# Altium PCB PCB_MAIN.PcbDoc (part 2 of 2)
Units mm, origin at the board's own origin, x right, y up, seen from the top; angles counter-clockwise.
Board outline 90.26 x 90.25 mm, 4 copper layers (Top Layer, Layer 1, Layer 2, Bottom Layer), stack 1.584 mm thick; 293 components, 201 nets, 831 pads, 761 vias.
Unrouted connection lines stored in the file: 503.
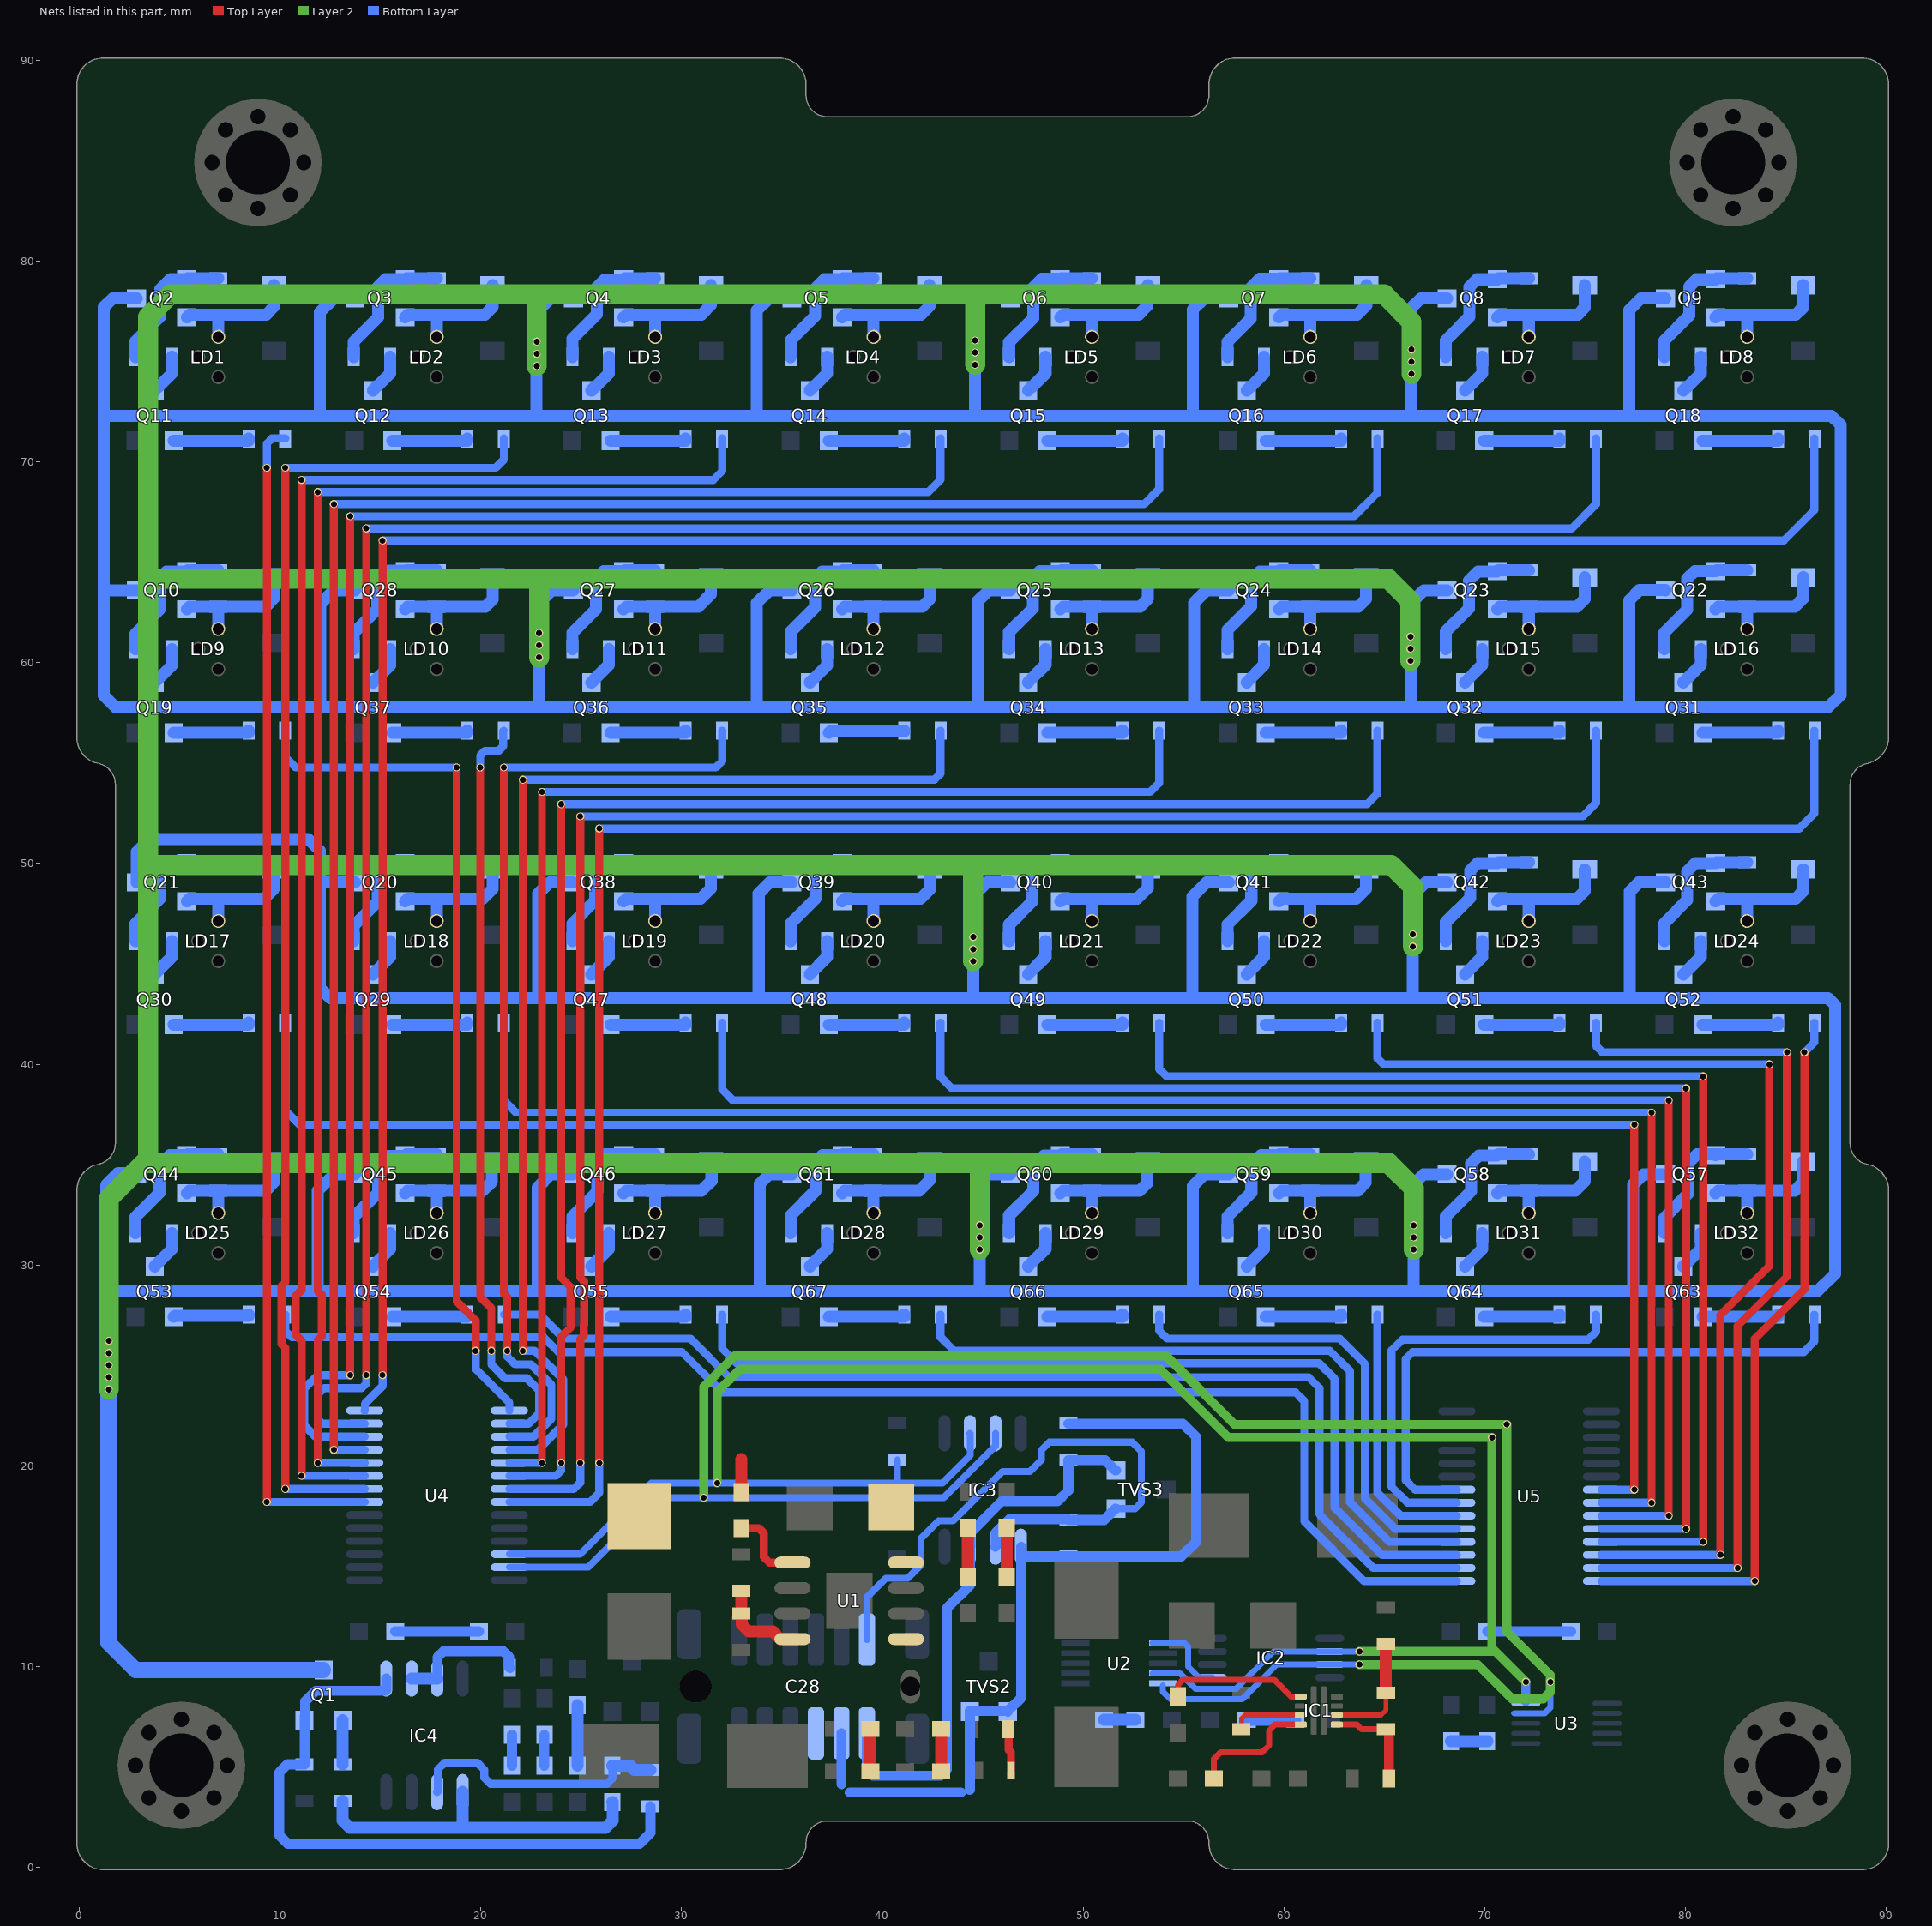
[diagram p4: the nets of this part, all layers, seen from the top]

## Via types
v1: diameter 0.4, hole 0.3, Top Layer to Bottom Layer, tented both sides, 743 vias
v2: diameter 0.4, hole 0.3, Top Layer to Bottom Layer, 18 vias

## Nets (pads, with @x,y where several pads share a name; then routed paths per layer and width w, separated by ;. In a path a pad name is that pad's centre, name@x,y a point inside that pad or via, vN(x,y) a via of type N, cw(c..) or ccw(c..) an arc to the next point about the centre after c; other vN are vias at no path point) (continued)
I_LD: Q1.3 Q2.2 Q3.2 Q4.2 Q5.2 Q6.2 Q7.2 Q8.2 Q9.2 Q10.2 Q20.2 Q21.2 Q22.2 Q23.2 Q24.2 Q25.2 Q26.2 Q27.2 Q28.2 Q38.2 Q39.2 Q40.2 Q41.2 Q42.2 Q43.2 Q44.2 Q45.2 Q46.2 Q57.2 Q58.2 Q59.2 Q60.2 Q61.2 | length 975.1
  Layer 2 w1: v1(1.47,23.8) v1(1.47,24.405) v1(1.47,25.01) v1(1.47,25.615) v1(1.47,26.22) 1.47,33.33 3.42,35.28 3.42,77.23 4.54,78.35 22.71,78.35 ; 3.56,35.07 45.02,35.07 ; 3.58,64.19 22.84,64.19 ; 3.702,49.93 44.49,49.93 ; v1(22.78,74.785) v1(22.78,75.39) v1(22.78,75.995) 22.78,78.28 22.71,78.35 ; v1(22.9,60.267) v1(22.9,60.872) v1(22.9,61.477) 22.9,64.13 22.84,64.19 ; v1(44.52,45.13) v1(44.52,45.735) v1(44.52,46.34) 44.52,49.9 44.49,49.93 ; v1(44.62,74.845) v1(44.62,75.45) v1(44.62,76.055) 44.62,78.27 44.7,78.35 ; v1(44.85,30.77) v1(44.85,31.375) v1(44.85,31.98) 44.85,34.9 45.02,35.07 ; v1(66.31,60.095) v1(66.31,60.7) v1(66.31,61.305) 66.31,63.08 65.2,64.19 22.84,64.19 ; v1(66.36,74.39) v1(66.36,74.995) v1(66.36,75.6) 66.36,76.99 65,78.35 44.7,78.35 ; v1(66.43,45.86) v1(66.43,46.465) 66.43,48.84 65.34,49.93 44.49,49.93 ; v1(66.47,30.77) v1(66.47,31.375) v1(66.47,31.98) 66.47,33.83 65.23,35.07 45.02,35.07 ; 22.71,78.35 44.7,78.35
  Bottom Layer w0.6: 1.32,63.608 Q10.2@2.85,63.608 ; 1.34,72.3 11.98,72.3 ; 1.51,28.7 11.87,28.7 ; Q21.2@2.85,49.062 2.85,50.58 3.48,51.21 11.4,51.21 11.98,50.63 11.98,43.81 12.49,43.3 22.86,43.3 ; Q2.2@2.85,78.155 1.655,78.155 1.21,77.71 1.21,58.37 1.81,57.77 11.99,57.77 ; 12.06,49.062 Q20.2@13.73,49.062 ; Q45.2@13.73,34.515 12.685,34.515 11.87,33.7 11.87,28.7 ; Q28.2@13.73,63.608 12.668,63.608 11.99,62.93 11.99,57.77 ; Q3.2@13.73,78.155 12.675,78.155 11.98,77.46 11.98,72.3 ; Q46.2@24.61,34.515 23.475,34.515 22.82,33.86 22.82,28.7 ; Q38.2@24.61,49.062 23.422,49.062 22.86,48.5 22.86,43.3 ; Q27.2@24.61,63.608 23.528,63.608 22.89,62.97 22.89,57.82 22.84,57.77 ; Q4.2@24.61,78.155 23.475,78.155 22.77,77.45 22.77,72.3 ; Q61.2@35.49,34.515 34.365,34.515 33.89,34.04 33.89,28.73 33.92,28.7 ; Q39.2@35.49,49.062 34.392,49.062 33.84,48.51 33.84,43.34 33.8,43.3 ; Q26.2@35.49,63.608 34.378,63.608 33.75,62.98 33.75,57.77 ; Q5.2@35.49,78.155 34.355,78.155 33.75,77.55 33.75,72.3 ; Q60.2@46.37,34.515 45.205,34.515 44.85,34.16 v1(44.85,31.98) v1(44.85,31.375) v1(44.85,30.77) 44.85,28.7 ; Q40.2@46.37,49.062 45.202,49.062 44.52,48.38 v1(44.52,46.34) v1(44.52,45.735) v1(44.52,45.13) 44.52,43.3 ; Q25.2@46.37,63.608 45.298,63.608 44.75,63.06 44.75,57.77 ; Q6.2@46.37,78.155 45.045,78.155 44.62,77.73 v1(44.62,76.055) v1(44.62,75.45) v1(44.62,74.845) 44.62,72.3 ; Q59.2@57.25,34.515 56.035,34.515 55.46,33.94 55.46,28.7 ; Q41.2@57.25,49.062 56.152,49.062 55.45,48.36 55.45,43.3 ; Q24.2@57.25,63.608 56.138,63.608 55.52,62.99 55.52,57.77 ; Q7.2@57.25,78.155 56.035,78.155 55.47,77.59 55.47,72.3 ; Q58.2@68.13,34.515 66.955,34.515 66.46,34.02 66.46,28.7 ; Q42.2@68.13,49.062 67.072,49.062 66.42,48.41 66.42,43.3 ; Q23.2@68.13,63.608 66.968,63.608 66.31,62.95 v1(66.31,61.305) v1(66.31,60.7) v1(66.31,60.095) 66.31,57.77 ; Q8.2@68.13,78.155 66.825,78.155 66.36,77.69 v1(66.36,75.6) v1(66.36,74.995) v1(66.36,74.39) 66.36,72.3 ; 77.2,57.82 77.2,63.11 77.71,63.62 78.998,63.62 Q22.2@79.01,63.608 ; 77.21,72.38 77.21,77.58 77.785,78.155 Q9.2@79.01,78.155 ; 77.23,43.36 77.23,48.6 77.7,49.07 79.001,49.07 Q43.2@79.01,49.062 ; 77.41,28.73 77.41,34.01 77.915,34.515 Q57.2@79.01,34.515 ; 11.87,28.7 22.82,28.7 ; 11.98,72.3 22.77,72.3 ; 11.99,57.77 22.84,57.77 ; 22.77,72.3 33.75,72.3 ; 22.82,28.7 33.92,28.7 ; 22.84,57.77 33.75,57.77 ; 22.86,43.3 33.8,43.3 ; 33.75,57.77 44.75,57.77 ; 33.75,72.3 44.62,72.3 ; 33.8,43.3 44.52,43.3 ; 33.92,28.7 44.85,28.7 ; 44.52,43.3 55.45,43.3 ; 44.62,72.3 55.47,72.3 ; 44.75,57.77 55.52,57.77 ; 44.85,28.7 55.46,28.7 ; 55.45,43.3 66.42,43.3 ; 55.46,28.7 66.46,28.7 ; 55.47,72.3 66.36,72.3 ; 55.52,57.77 66.31,57.77 ; 66.31,57.77 87.1,57.77 87.73,58.4 87.73,71.84 87.27,72.3 66.36,72.3 ; 66.42,43.3 87.102,43.3 87.453,42.949 87.453,29.563 86.59,28.7 66.46,28.7
  Bottom Layer w0.8: Q44.2@2.85,34.515 2.8,34.465 1.955,34.465 1.45,33.96 1.45,11.18 2.81,9.82 Q1.3@12.14,9.82
LATCH: IC2.1 U2.6 | length 4.3
  Bottom Layer w0.3: U2.6@53.45,11.161 55.054,11.161 55.23,10.985 55.23,9.99 55.765,9.455 56.425,9.455 IC2.1@56.435,9.445
NetC3_2: C3.2 IC1.10 | length 6.4
  Top Layer w0.3: C3.2@56.52,4.419 56.52,5.39 56.86,5.73 58.92,5.73 59.26,6.07 59.26,6.81 59.55,7.1 IC1.10@60.84,7.1
NetC4_2: C4.2 IC1.7 | length 7.1
  Top Layer w0.3: C4.2@54.72,8.509 54.74,8.529 54.74,9.1 54.98,9.34 59.52,9.34 60.36,8.5 IC1.7@60.84,8.5
NetC5_1: C5.1 D2.2 L1.1 U1.8 | length 1.6
  Top Layer w0.6: C5.1@32.98,18.688 32.98,20.32
NetC5_2: C5.2 U1.1 | length 4
  Top Layer w0.4: C5.2@32.98,16.888 32.984,16.892 33.856,16.892 34.09,16.657 34.09,15.46 34.377,15.173 U1.1@35.525,15.173
NetC6_2: C6.2 C12.1 | length 2.4
  Top Layer w0.6: C12.1@44.25,14.478 C6.2@44.25,16.908
NetC7_2: C7.2 C13.1 | length 2.4
  Top Layer w0.6: C13.1@46.2,14.478 C7.2@46.2,16.908
NetC8_2: C8.2 C14.1 | length 2.1
  Top Layer w0.6: C8.2@42.926,4.77 C14.1@42.926,6.88
NetC9_2: C9.2 C15.1 | length 2.1
  Top Layer w0.6: C9.2@39.4,4.77 C15.1@39.4,6.88
NetC17_1: C17.1 C19.2 | length 1.6
  Bottom Layer w0.6: C17.1@51.04,7.34 C19.2@52.61,7.34
NetC20_1: C20.1 C21.2 | length 2.4
  Bottom Layer w0.6: C21.2@58.147,7.34 C20.1@60.573,7.34
NetC22_1: C22.1 C23.2 | length 1.8
  Bottom Layer w0.6: C23.2@68.33,6.272 C22.1@70.13,6.272
NetC24_1: C24.1 C26.2 | length 4.2
  Bottom Layer w0.5: C26.2@15.73,11.74 C24.1@19.906,11.74
NetC25_1: C25.1 C27.2 | length 4.2
  Bottom Layer w0.5: C27.2@70.13,11.74 C25.1@74.306,11.74
NetC33_1: C33.1 C35.2 | length 1.5
  Bottom Layer w0.5: C35.2@21.55,5.051 C33.1@21.55,6.6
NetC34_1: C34.1 C36.2 | length 3
  Bottom Layer w0.6: C36.2@24.82,5.051 C34.1@24.82,8.067
NetC37_1: C37.1 IC4.2 R15.1 | length 13.4
  Bottom Layer w0.4: IC4.2@17.825,3.745 17.863,3.783 17.863,4.873 18.2,5.21 19.82,5.21 20.17,4.86 20.17,4.46 20.48,4.15 26.28,4.15 26.56,4.43 26.56,5.041 C37.1@26.551,5.05
  Bottom Layer w0.6: C37.1@26.55,5.051 26.551,5.05 27.44,5.05 27.641,4.849 R15.1@28.45,4.849
NetC37_2: C37.2 IC4.1 R14.1 | length 17.4
  Bottom Layer w0.6: R14.1@13.116,3.301 13.116,2.321 13.467,1.97 19.73,1.97 26.209,1.97 26.56,2.321 26.56,3.241 C37.2@26.55,3.251 ; 19.095,2.02 IC4.1@19.095,3.745
NetC38_1: C38.1 C39.2 | length 1.5
  Bottom Layer w0.5: C39.2@23.166,5.051 C38.1@23.166,6.6
NetDIO1_1: DIO1.1 LD1.3 Q2.3 R18.1 | length 6.7
  Bottom Layer w0.6: Q2.3@5.35,77.205 5.488,77.343 R18.1@6.92,77.343 ; LD1.3@6.92,76.232 R18.1@6.92,77.343 ; DIO1.1@9.7,78.801 9.7,77.74 9.303,77.343 R18.1@6.92,77.343
NetDIO2_1: DIO2.1 LD2.3 Q3.3 R19.1 | length 6.8
  Bottom Layer w0.6: Q3.3@16.23,77.205 16.368,77.343 R19.1@17.8,77.343 ; LD2.3@17.8,76.232 R19.1@17.8,77.343 ; DIO2.1@20.581,78.801 20.581,77.731 20.193,77.343 R19.1@17.8,77.343
NetDIO3_1: DIO3.1 LD3.3 Q4.3 R20.1 | length 6.7
  Bottom Layer w0.6: Q4.3@27.11,77.205 27.248,77.343 R20.1@28.68,77.343 ; LD3.3@28.68,76.232 R20.1@28.68,77.343 ; DIO3.1@31.463,78.801 31.46,78.798 31.46,77.82 30.983,77.343 R20.1@28.68,77.343
NetDIO4_1: DIO4.1 LD4.3 Q5.3 R21.1 | length 6.7
  Bottom Layer w0.6: Q5.3@37.99,77.205 38.128,77.343 R21.1@39.56,77.343 ; LD4.3@39.56,76.232 R21.1@39.56,77.343 ; DIO4.1@42.344,78.801 42.344,77.756 41.931,77.343 R21.1@39.56,77.343
NetDIO5_1: DIO5.1 LD5.3 Q6.3 R22.1 | length 6.7
  Bottom Layer w0.6: Q6.3@48.87,77.205 49.008,77.343 R22.1@50.44,77.343 ; LD5.3@50.44,76.232 R22.1@50.44,77.343 ; DIO5.1@53.226,78.801 53.2,78.775 53.2,77.78 52.763,77.343 R22.1@50.44,77.343
NetDIO6_1: DIO6.1 LD6.3 Q7.3 R23.1 | length 6.7
  Bottom Layer w0.6: Q7.3@59.75,77.205 59.888,77.343 R23.1@61.32,77.343 ; LD6.3@61.32,76.232 R23.1@61.32,77.343 ; DIO6.1@64.107,78.801 64.11,78.798 64.11,77.8 63.653,77.343 R23.1@61.32,77.343
NetDIO7_1: DIO7.1 LD7.3 Q8.3 R24.1 | length 6.8
  Bottom Layer w0.6: Q8.3@70.63,77.205 70.768,77.343 R24.1@72.2,77.343 ; LD7.3@72.2,76.232 R24.1@72.2,77.343 ; DIO7.1@74.989,78.801 74.989,77.694 74.637,77.343 R24.1@72.2,77.343
NetDIO8_1: DIO8.1 LD8.3 Q9.3 R25.1 | length 6.8
  Bottom Layer w0.6: Q9.3@81.51,77.205 81.648,77.343 R25.1@83.08,77.343 ; LD8.3@83.08,76.232 R25.1@83.08,77.343 ; DIO8.1@85.87,78.801 85.87,77.71 85.503,77.343 R25.1@83.08,77.343
NetDIO9_1: DIO9.1 LD9.3 Q10.3 R26.1 | length 6.7
  Bottom Layer w0.6: Q10.3@5.35,62.658 5.488,62.796 R26.1@6.92,62.796 ; LD9.3@6.92,61.685 R26.1@6.92,62.796 ; DIO9.1@9.7,64.254 9.7,63.22 9.276,62.796 R26.1@6.92,62.796
NetDIO10_1: DIO10.1 LD18.3 Q20.3 R45.1 | length 6.7
  Bottom Layer w0.6: Q20.3@16.23,48.112 16.368,48.25 R45.1@17.8,48.25 ; LD18.3@17.8,47.139 R45.1@17.8,48.25 ; DIO10.1@20.581,49.708 20.58,49.706 20.58,48.74 20.09,48.25 R45.1@17.8,48.25
NetDIO11_1: DIO11.1 LD17.3 Q21.3 R46.1 | length 6.7
  Bottom Layer w0.6: Q21.3@5.35,48.112 5.488,48.25 R46.1@6.92,48.25 ; LD17.3@6.92,47.139 R46.1@6.92,48.25 ; DIO11.1@9.7,49.708 9.68,49.688 9.68,48.72 9.21,48.25 R46.1@6.92,48.25
NetDIO12_1: DIO12.1 LD16.3 Q22.3 R47.1 | length 6.7
  Bottom Layer w0.6: Q22.3@81.51,62.658 81.648,62.796 R47.1@83.08,62.796 ; LD16.3@83.08,61.685 R47.1@83.08,62.796 ; DIO12.1@85.87,64.254 85.87,63.21 85.456,62.796 R47.1@83.08,62.796
NetDIO13_1: DIO13.1 LD15.3 Q23.3 R48.1 | length 6.8
  Bottom Layer w0.6: Q23.3@70.63,62.658 70.768,62.796 R48.1@72.2,62.796 ; LD15.3@72.2,61.685 R48.1@72.2,62.796 ; DIO13.1@74.989,64.254 74.989,63.179 74.606,62.796 R48.1@72.2,62.796
NetDIO14_1: DIO14.1 LD14.3 Q24.3 R49.1 | length 6.8
  Bottom Layer w0.6: Q24.3@59.75,62.658 59.888,62.796 R49.1@61.32,62.796 ; LD14.3@61.32,61.685 R49.1@61.32,62.796 ; DIO14.1@64.107,64.254 64.1,64.247 64.1,63.18 63.716,62.796 R49.1@61.32,62.796
NetDIO15_1: DIO15.1 LD13.3 Q25.3 R50.1 | length 6.8
  Bottom Layer w0.6: Q25.3@48.87,62.658 49.008,62.796 R50.1@50.44,62.796 ; LD13.3@50.44,61.685 R50.1@50.44,62.796 ; DIO15.1@53.226,64.254 53.226,63.186 52.836,62.796 R50.1@50.44,62.796
NetDIO16_1: DIO16.1 LD12.3 Q26.3 R51.1 | length 6.8
  Bottom Layer w0.6: Q26.3@37.99,62.658 38.128,62.796 R51.1@39.56,62.796 ; LD12.3@39.56,61.685 R51.1@39.56,62.796 ; DIO16.1@42.344,64.254 42.344,63.148 41.993,62.796 R51.1@39.56,62.796
NetDIO17_1: DIO17.1 LD11.3 Q27.3 R52.1 | length 6.6
  Bottom Layer w0.6: Q27.3@27.11,62.658 27.248,62.796 R52.1@28.68,62.796 ; LD11.3@28.68,61.685 R52.1@28.68,62.796 ; DIO17.1@31.463,64.254 31.463,63.421 30.838,62.796 R52.1@28.68,62.796
NetDIO18_1: DIO18.1 LD10.3 Q28.3 R53.1 | length 6.8
  Bottom Layer w0.6: Q28.3@16.23,62.658 16.368,62.796 R53.1@17.8,62.796 ; LD10.3@17.8,61.685 R53.1@17.8,62.796 ; DIO18.1@20.581,64.254 20.581,63.148 20.23,62.796 R53.1@17.8,62.796
NetDIO19_1: DIO19.1 LD19.3 Q38.3 R72.1 | length 6.7
  Bottom Layer w0.6: Q38.3@27.11,48.112 27.248,48.25 R72.1@28.68,48.25 ; LD19.3@28.68,47.139 R72.1@28.68,48.25 ; DIO19.1@31.463,49.708 31.46,49.705 31.46,48.76 30.95,48.25 R72.1@28.68,48.25
NetDIO20_1: DIO20.1 LD20.3 Q39.3 R73.1 | length 6.8
  Bottom Layer w0.6: Q39.3@37.99,48.112 38.128,48.25 R73.1@39.56,48.25 ; LD20.3@39.56,47.139 R73.1@39.56,48.25 ; DIO20.1@42.344,49.708 42.38,49.672 42.38,48.72 41.91,48.25 R73.1@39.56,48.25
NetDIO21_1: DIO21.1 LD21.3 Q40.3 R74.1 | length 6.7
  Bottom Layer w0.6: Q40.3@48.87,48.112 49.008,48.25 R74.1@50.44,48.25 ; LD21.3@50.44,47.139 R74.1@50.44,48.25 ; DIO21.1@53.226,49.708 53.22,49.702 53.22,48.78 52.69,48.25 R74.1@50.44,48.25
NetDIO22_1: DIO22.1 LD22.3 Q41.3 R75.1 | length 6.7
  Bottom Layer w0.6: Q41.3@59.75,48.112 59.888,48.25 R75.1@61.32,48.25 ; LD22.3@61.32,47.139 R75.1@61.32,48.25 ; DIO22.1@64.107,49.708 64.09,49.69 64.09,48.73 63.61,48.25 R75.1@61.32,48.25
NetDIO23_1: DIO23.1 LD23.3 Q42.3 R76.1 | length 6.8
  Bottom Layer w0.6: Q42.3@70.63,48.112 70.768,48.25 R76.1@72.2,48.25 ; LD23.3@72.2,47.139 R76.1@72.2,48.25 ; DIO23.1@74.989,49.708 74.989,48.629 74.61,48.25 R76.1@72.2,48.25
NetDIO24_1: DIO24.1 LD24.3 Q43.3 R77.1 | length 6.8
  Bottom Layer w0.6: Q43.3@81.51,48.112 81.648,48.25 R77.1@83.08,48.25 ; LD24.3@83.08,47.139 R77.1@83.08,48.25 ; DIO24.1@85.87,49.708 85.87,48.63 85.49,48.25 R77.1@83.08,48.25
NetDIO25_1: DIO25.1 LD25.3 Q44.3 R78.1 | length 6.7
  Bottom Layer w0.6: Q44.3@5.35,33.565 5.488,33.703 R78.1@6.92,33.703 ; LD25.3@6.92,32.592 R78.1@6.92,33.703 ; DIO25.1@9.7,35.161 9.7,34.12 9.283,33.703 R78.1@6.92,33.703
NetDIO26_1: DIO26.1 LD26.3 Q45.3 R79.1 | length 6.7
  Bottom Layer w0.6: Q45.3@16.23,33.565 16.368,33.703 R79.1@17.8,33.703 ; LD26.3@17.8,32.592 R79.1@17.8,33.703 ; DIO26.1@20.581,35.161 20.54,35.119 20.54,34.14 20.103,33.703 R79.1@17.8,33.703
NetDIO27_1: DIO27.1 LD27.3 Q46.3 R80.1 | length 6.7
  Bottom Layer w0.6: Q46.3@27.11,33.565 27.248,33.703 R80.1@28.68,33.703 ; LD27.3@28.68,32.592 R80.1@28.68,33.703 ; DIO27.1@31.463,35.161 31.49,35.134 31.49,34.2 30.993,33.703 R80.1@28.68,33.703
NetDIO28_1: DIO28.1 LD32.3 Q57.3 R100.1 | length 6.7
  Bottom Layer w0.6: Q57.3@81.51,33.565 81.648,33.703 R100.1@83.08,33.703 ; LD32.3@83.08,32.592 R100.1@83.08,33.703 ; DIO28.1@85.87,35.161 85.87,34.12 85.453,33.703 R100.1@83.08,33.703
NetDIO29_1: DIO29.1 LD31.3 Q58.3 R101.1 | length 6.7
  Bottom Layer w0.6: Q58.3@70.63,33.565 70.768,33.703 R101.1@72.2,33.703 ; LD31.3@72.2,32.592 R101.1@72.2,33.703 ; DIO29.1@74.989,35.161 74.98,35.152 74.98,34.17 74.513,33.703 R101.1@72.2,33.703
NetDIO30_1: DIO30.1 LD30.3 Q59.3 R102.1 | length 6.7
  Bottom Layer w0.6: Q59.3@59.75,33.565 59.888,33.703 R102.1@61.32,33.703 ; LD30.3@61.32,32.592 R102.1@61.32,33.703 ; DIO30.1@64.107,35.161 64.08,35.134 64.08,34.1 63.683,33.703 R102.1@61.32,33.703
NetDIO31_1: DIO31.1 LD29.3 Q60.3 R103.1 | length 6.7
  Bottom Layer w0.6: Q60.3@48.87,33.565 49.008,33.703 R103.1@50.44,33.703 ; LD29.3@50.44,32.592 R103.1@50.44,33.703 ; DIO31.1@53.226,35.161 53.2,35.135 53.2,34.09 52.813,33.703 R103.1@50.44,33.703
NetDIO32_1: DIO32.1 LD28.3 Q61.3 R104.1 | length 6.7
  Bottom Layer w0.6: Q61.3@37.99,33.565 38.128,33.703 R104.1@39.56,33.703 ; LD28.3@39.56,32.592 R104.1@39.56,33.703 ; DIO32.1@42.344,35.161 42.36,35.145 42.36,34.22 41.843,33.703 R104.1@39.56,33.703
NetIC1_1: IC1.1 R1.1 R2.2 | length 5.1
  Top Layer w0.3: IC1.1@62.64,7.1 63.64,7.1 63.867,6.873 R2.2@65.087,6.873
  Top Layer w0.5: R2.2@65.087,6.873 65.187,6.873 65.237,6.823 R1.1@65.237,4.42
NetIC1_2: IC1.2 R2.1 R3.2 | length 5.9
  Top Layer w0.25: IC1.2@62.64,7.575 64.845,7.575 65.087,7.817 R2.1@65.087,8.689
  Top Layer w0.6: R2.1@65.087,8.689 R3.2@65.087,11.12
NetIC1_9: IC1.9 R4.2 | length 3.6
  Top Layer w0.25: R4.2@57.87,6.873 57.89,6.893 57.89,7.4 58.065,7.575 IC1.9@60.84,7.575
NetIC4_5: IC4.5 Q1.2 R15.2 R17.2 | length 32.8
  Bottom Layer w0.5: IC4.5@15.285,9.395 15.285,8.826 15.239,8.78 11.77,8.78 11.25,8.26 11.25,7.545 11.216,7.511 Q1.2@11.216,7.32 R17.2@11.216,5.117 11.213,5.12 10.35,5.12 9.96,4.73 9.96,1.58 10.38,1.16 27.9,1.16 28.45,1.71 R15.2@28.45,3.033
NetIC4_6: IC4.6 IC4.7 R16.1 | length 6.7
  Bottom Layer w0.5: IC4.7@17.825,9.395 17.844,9.414 17.844,10.464 18.14,10.76 21.107,10.76 21.4,10.467 21.4,9.97 R16.1@21.45,9.92
  Bottom Layer w0.6: IC4.6@16.555,9.395 IC4.7@17.825,9.395
NetLED1_2: LED1.2 R6.1 | length 2.1
  Top Layer w0.4: R6.1@46.289,6.881 R6.1@46.289,6.881 46.29,5.84 46.412,5.718 LED1.2@46.412,4.821
NetQ1_1: Q1.1 R14.2 | length 2.2
  Bottom Layer w0.6: R14.2@13.116,5.117 Q1.1@13.116,7.32
NetQ2_1: Q2.1 R18.2 R27.2 | length 7
  Bottom Layer w0.6: R27.2@2.793,75.232 2.793,76.003 4.04,77.25 4.04,78.61 4.535,79.105 Q2.1@5.35,79.105 Q2.1@5.268,79.023 ; Q2.1@5.403,79.159 R18.2@6.92,79.159
NetQ3_1: Q3.1 R19.2 R28.2 | length 7.1
  Bottom Layer w0.6: R28.2@13.673,75.232 13.673,75.993 14.89,77.21 14.89,78.754 15.241,79.105 Q3.1@16.23,79.105 16.283,79.159 R19.2@17.8,79.159
NetQ4_1: Q4.1 R20.2 R29.2 | length 7.1
  Bottom Layer w0.6: R29.2@24.553,75.232 24.553,76.133 25.78,77.36 25.78,78.71 26.16,79.09 27.095,79.09 Q4.1@27.11,79.105 27.163,79.159 R20.2@28.68,79.159
NetQ5_1: Q5.1 R21.2 R30.2 | length 7
  Bottom Layer w0.6: R30.2@35.433,75.232 35.433,76.053 36.65,77.27 36.65,78.64 37.11,79.1 37.985,79.1 Q5.1@37.99,79.105 38.043,79.159 R21.2@39.56,79.159
NetQ6_1: Q6.1 R22.2 R31.2 | length 7.1
  Bottom Layer w0.6: R31.2@46.313,75.232 46.313,75.963 47.52,77.17 47.52,78.7 47.94,79.12 48.855,79.12 Q6.1@48.87,79.105 48.923,79.159 R22.2@50.44,79.159
NetQ7_1: Q7.1 R23.2 R32.2 | length 7.1
  Bottom Layer w0.6: R32.2@57.193,75.232 57.193,75.983 58.35,77.14 58.35,78.68 58.79,79.12 Q7.1@59.765,79.12 ; Q7.1@59.75,79.105 Q7.1@59.765,79.12 ; R23.2@61.32,79.159 59.803,79.159 Q7.1@59.765,79.12
NetQ8_1: Q8.1 R24.2 R33.2 | length 7.1
  Bottom Layer w0.6: R33.2@68.073,75.232 68.073,76.063 69.25,77.24 69.25,78.72 69.63,79.1 70.625,79.1 Q8.1@70.63,79.105 70.683,79.159 R24.2@72.2,79.159
NetQ9_1: Q9.1 R25.2 R34.2 | length 7.1
  Bottom Layer w0.6: R34.2@78.953,75.232 78.953,76.053 80.19,77.29 80.19,78.72 80.57,79.1 81.505,79.1 Q9.1@81.51,79.105 81.563,79.159 R25.2@83.08,79.159
NetQ10_1: Q10.1 R26.2 R35.2 | length 7.1
  Bottom Layer w0.6: R35.2@2.793,60.686 2.793,61.443 3.99,62.64 3.99,64.19 4.341,64.541 5.333,64.541 Q10.1@5.35,64.558 5.403,64.612 R26.2@6.92,64.612
NetQ11_1: Q11.1 R36.2 | length 3.9
  Bottom Layer w0.6: Q11.1@4.699,71.059 8.442,71.059 R36.2@8.442,71.168
NetQ11_3: Q11.3 R27.1 | length 2
  Bottom Layer w0.6: Q11.3@3.749,73.559 3.749,73.584 3.899,73.734 3.924,73.734 4.609,74.419 R27.1@4.609,75.232
NetQ12_1: Q12.1 R37.2 | length 3.9
  Bottom Layer w0.6: Q12.1@15.579,71.059 19.324,71.059 R37.2@19.324,71.168
NetQ12_3: Q12.3 R28.1 | length 2
  Bottom Layer w0.6: Q12.3@14.629,73.559 14.629,73.584 14.829,73.784 14.854,73.784 15.489,74.419 R28.1@15.489,75.232
NetQ13_1: Q13.1 R38.2 | length 3.9
  Bottom Layer w0.6: Q13.1@26.459,71.059 30.205,71.059 R38.2@30.205,71.168
NetQ13_3: Q13.3 R29.1 | length 2
  Bottom Layer w0.6: Q13.3@25.509,73.559 25.509,73.584 25.659,73.734 25.684,73.734 26.369,74.419 R29.1@26.369,75.232
NetQ14_1: Q14.1 R39.2 | length 3.9
  Bottom Layer w0.6: Q14.1@37.339,71.059 41.086,71.059 R39.2@41.086,71.168
NetQ14_3: Q14.3 R30.1 | length 2
  Bottom Layer w0.6: Q14.3@36.389,73.559 36.389,73.584 36.539,73.734 36.564,73.734 37.249,74.419 R30.1@37.249,75.232
NetQ15_1: Q15.1 R40.2 | length 3.9
  Bottom Layer w0.6: Q15.1@48.219,71.059 51.968,71.059 R40.2@51.968,71.168
NetQ15_3: Q15.3 R31.1 | length 2
  Bottom Layer w0.6: Q15.3@47.269,73.559 47.269,73.584 47.419,73.734 47.444,73.734 48.129,74.419 R31.1@48.129,75.232
NetQ16_1: Q16.1 R41.2 | length 3.9
  Bottom Layer w0.6: Q16.1@59.099,71.059 62.849,71.059 R41.2@62.849,71.168
NetQ16_3: Q16.3 R32.1 | length 2
  Bottom Layer w0.6: Q16.3@58.149,73.559 58.149,73.584 58.299,73.734 58.324,73.734 59.009,74.419 R32.1@59.009,75.232
NetQ17_1: Q17.1 R42.2 | length 3.9
  Bottom Layer w0.6: Q17.1@69.979,71.059 73.731,71.059 R42.2@73.731,71.168